# Altium PCB 键盘.PcbDoc (part 4 of 4)
Units mm, origin at the board's own origin, x right, y up, seen from the top; angles counter-clockwise.
Board outline 443.48 x 149.35 mm, 2 copper layers (Top Layer, Bottom Layer); 278 components, 283 nets, 1577 pads, 1412 vias.
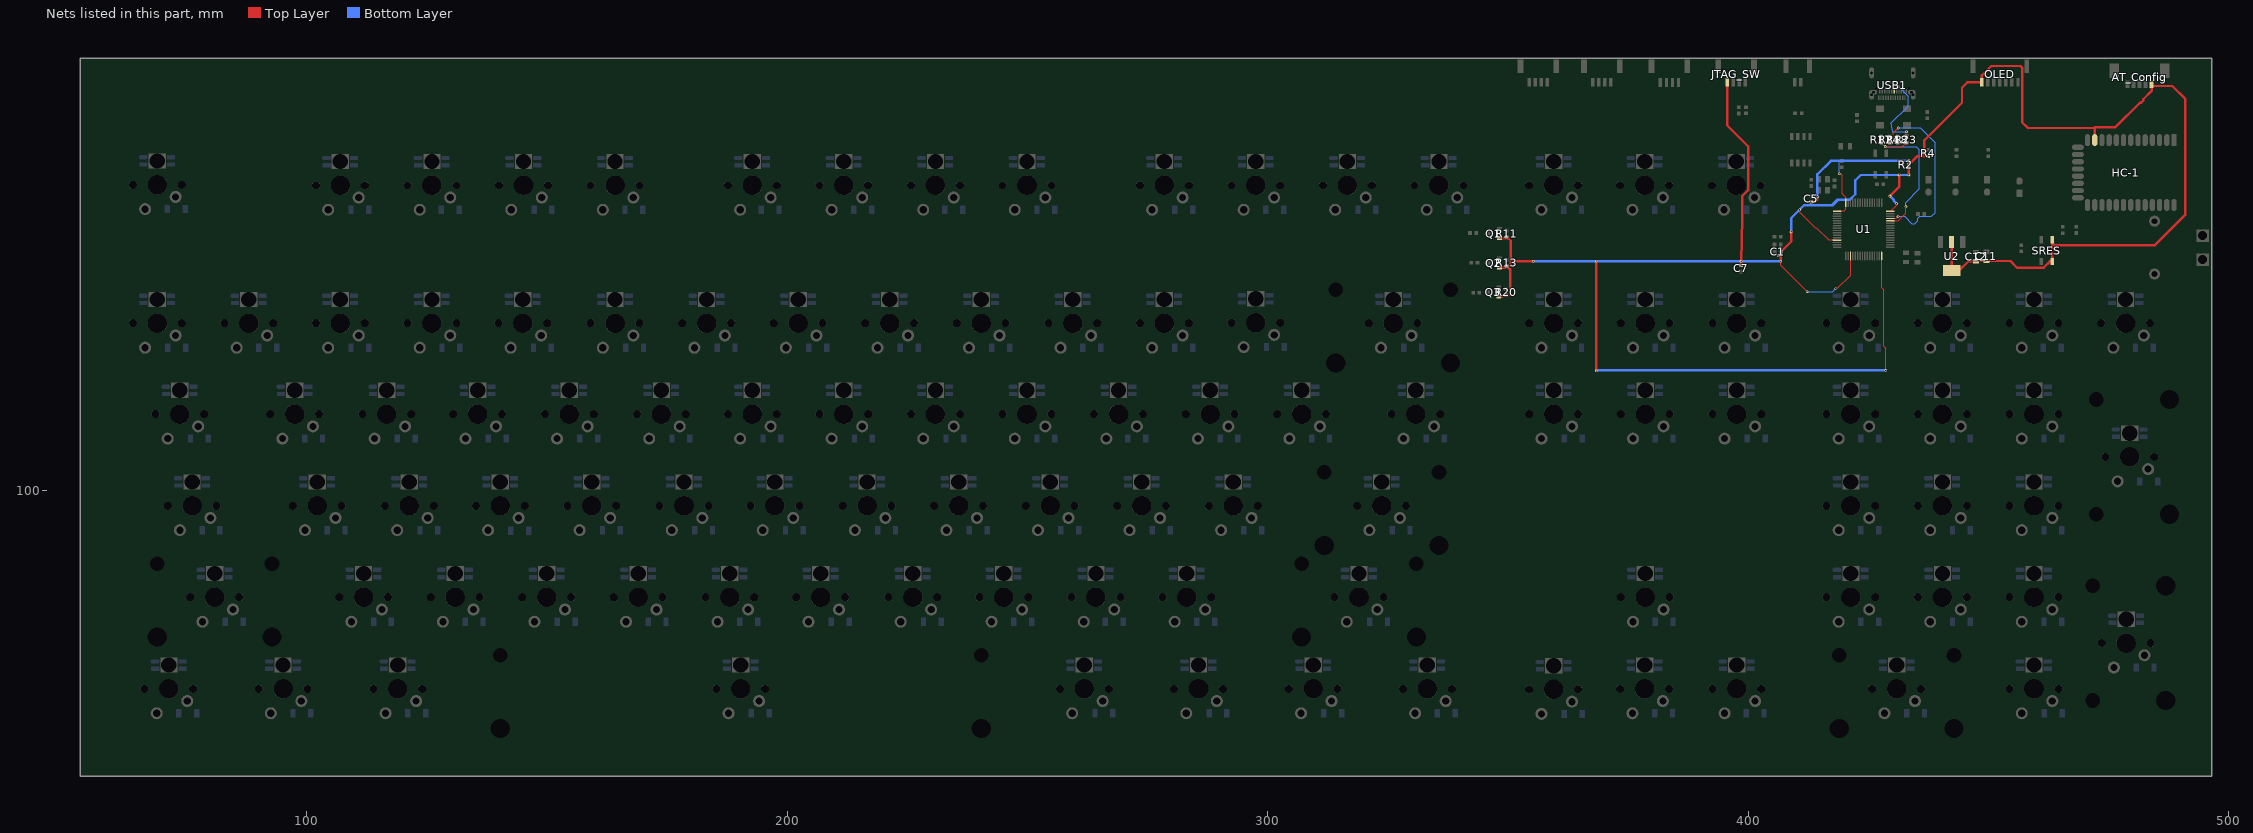
[diagram p4: the nets of this part, all layers, seen from the top]

## Via types
v1: diameter 0.508, hole 0.254, Top Layer to Bottom Layer, 1072 vias
v2: diameter 0.61, hole 0.305, Top Layer to Bottom Layer, 310 vias
v3: diameter 0.508, hole 0.254, Top Layer to Bottom Layer, tented both sides, 30 vias

## Nets (pads, with @x,y where several pads share a name; then routed paths per layer and width w, separated by ;. In a path a pad name is that pad's centre, name@x,y a point inside that pad or via, vN(x,y) a via of type N, cw(c..) or ccw(c..) an arc to the next point about the centre after c; other vN are vias at no path point) (continued)
USB_D-_2: R23.2 USB1.B7 | length 17.4
  Top Layer w0.254: USB1.B7@430.397,183.116 430.397,183.757 430.784,184.144 v2(431.298,184.144) ; R23.2@432.943,173.751 v2(432.943,174.727)
  Bottom Layer w0.254: v2(431.298,184.144) 433.299,182.143 433.299,180.086 429.705,176.492 429.946,174.727 v2(432.943,174.727)
USB_OTG_FS_DM: R17.1 R23.1 U1.44 | length 31.5
  Top Layer w0.254: R17.1@427.736,172.451 v2(428.534,171.653) 428.559,171.628 432.12,171.628 R23.1@432.943,172.451 ; U1.44@429.603,156.182 431.23,156.182 432.816,157.768 v2(432.816,159.131)
  Bottom Layer w0.254: v2(428.534,171.653) 434.95,171.653 435.635,170.967 435.635,162.819 432.816,159.999 v2(432.816,159.131)
USB_OTG_FS_DM_D+: R18.1 R24.1 U1.45 | length 40.4
  Top Layer w0.254: R24.1@429.514,172.466 430.327,172.466 430.342,172.451 R18.1@431.165,172.451 430.225,173.391 430.225,174.498 v2(431.241,175.514) ; U1.45@429.603,156.682 430.773,156.682 v2(431.216,157.124)
  Bottom Layer w0.254: v2(431.216,157.124) 432.565,157.124 434.086,155.603 434.721,155.603 435.291,156.173 435.291,156.738 435.678,157.124 438.15,157.124 438.912,157.886 438.912,172.466 435.864,175.514 v2(431.241,175.514)
VCC3V3: AT_Config.1 C1.1 C5.1 C7.1 C11.2 C12.2 HC-1.12 JTAG_SW.4 OLED.7 Q1.1 Q2.1 Q3.1 R2.1 R4.2 R11.2 R13.2 R20.2 SRES.2 U1.1 U1.13 U1.19 U1.32 U1.48 U1.64 U2.2 U2.4 | length 541.1
  Top Layer w0.254: v2(406.781,147.777) 406.781,146.964 v3(412.267,141.478) ; v3(410.718,158.496) 410.718,157.988 413.972,154.734 414.226,154.734 416.745,152.215 418.47,152.215 U1.13@418.503,152.182 ; v3(418.211,142.113) 418.592,142.113 421.303,144.824 U1.19@421.303,148.882 ; U1.1@418.503,158.182 418.56,158.239 419.986,158.239 420.303,158.556 U1.64@420.303,159.982 420.303,161.103 419.608,161.798 419.608,165.608 419.227,165.989 v3(418.973,165.989) ; U1.32@427.803,148.882 427.803,142.282 428.266,141.818 428.266,130.083 428.625,129.724 v3@428.625,125.095 ; U1.48@429.603,158.182 430.897,159.476 v3(430.897,159.766)
  Top Layer w0.508: Q3.1@348.114,140.401 348.717,140.401 349.017,140.701 R20.2@349.631,140.701 350.2,140.701 350.469,140.97 350.469,146.086 R13.2@349.758,146.797 ; Q2.1@348.234,146.436 349.397,146.436 R13.2@349.758,146.797 ; Q1.1@348.241,152.593 R11.2@350.058,152.593 ; R11.2@349.758,152.893 R11.2@350.058,152.593 ; v2(355.285,147.777) 350.596,147.777 ; v3(368.427,124.968) v3(368.427,147.828) ; JTAG_SW.4@395.645,185.039 395.645,176.058 399.996,171.707 399.996,162.546 398.777,161.327 398.777,156.718 398.547,147.777 C7.1@398.526,146.954 v2(398.526,147.777) ; v2(406.273,148.92) 406.4,148.92 406.781,149.301 ; v2(406.781,147.777) 406.781,149.301 ; v2(408.965,153.885) 408.965,151.917 C1.1@406.781,149.733 406.781,149.301 ; C5.1@413.131,160.147 413.944,160.147 414.428,160.631 v2(414.428,161.156) ; v2(429.514,161.341) 431.419,163.246 v2(431.419,165.735) ; v2(433.451,165.735) R2.1@433.451,167.894 ; v2(433.451,168.707) v2(433.451,168.681) R2.1@433.451,167.894 ; R4.2@437.515,169.657 437.022,169.657 ; U2.2@442.341,151.814 U2.4@442.341,145.874 443.916,145.874 445.809,147.767 C12.2@447.421,147.767 447.487,147.833 C11.2@449.58,147.833 454.584,147.833 455.986,146.431 461.493,146.431 462.799,147.737 SRES.2@463.278,147.737 SRES.2@463.278,152.237 463.55,151.155 484.632,151.155 490.982,157.505 490.982,181.534 488.264,184.252 AT_Config.1@483.971,184.252 ; HC-1.12@472.122,172.993 472.122,175.641 476.377,175.641 481.511,180.775 481.785,180.775 482.23,181.219 482.23,181.494 483.971,183.235 AT_Config.1@483.971,184.252 ; 472.122,174.244 472.122,175.514 458.216,175.514 457.022,176.708 457.022,188.087 456.692,188.417 450.6,188.417 448.644,186.461 OLED.7@448.644,185.039 445.643,185.039 444.5,183.896 444.5,180.772 436.677,172.949 436.677,170.002 437.022,169.657 ; AT_Config.1@483.971,184.641 AT_Config.1@483.971,184.252 ; R13.2@349.758,146.797 350.327,146.797 350.596,147.066 350.596,147.777 ; R11.2@350.058,152.593 350.596,152.055 350.596,147.777 ; R2.1@433.451,167.894 435.214,169.657 437.022,169.657
  Bottom Layer w0.254: v3(412.267,141.478) 417.576,141.478 v3(418.211,142.113) ; v3(418.973,165.989) 418.973,168.681
  Bottom Layer w0.508: v2(355.285,147.777) v2(398.526,147.777) v2(406.781,147.777) ; v3(368.427,124.968) 368.524,125.065 v3(428.629,125.065) ; v2(408.965,153.885) 408.965,156.766 411.629,159.43 417.359,159.43 ; v3(410.718,158.496) 411.652,159.43 417.359,159.43 ; v2(414.428,161.156) 414.428,165.889 417.22,168.681 418.973,168.681 v2(433.451,168.681) ; 418.806,160.604 417.632,159.43 417.359,159.43 ; v2(429.514,161.341) 430.335,160.52 430.335,160.328 v3(430.897,159.766) ; v2(433.451,165.735) 423.443,165.735 422.3,164.592 422.3,161.722 421.181,160.602 418.532,160.602 417.359,159.43
pads on no net: 0. 1. 2. 3. 4. 5. 6. 7. 8. 9. '. ,. -. .. /. ;. [. \. ]. A. AT_Config.0 B. BACK. BACK.4 C. CAN1.0 CAPS. D. DEL. Designator116.0 Designator116.1 Designator116.3 Designator116.4 Designator117.0 Designator117.1 Designator117.3 Designator117.4 Designator118.0 Designator118.1 Designator118.3 Designator118.4 Designator119.0 Designator119.1 Designator119.3 Designator119.4 Designator120.0 Designator120.1 Designator120.3 Designator120.4 Designator121.0 Designator121.1 Designator121.3 Designator121.4 Designator122.0 Designator122.1 Designator122.3 Designator122.4 Designator123.0 Designator123.1 Designator123.3 Designator123.4 DOWN. E. END. ENTER. ENTER.4 EQUAL. ESC. F1. F2. F3. F4. F5. F6. F7. F8. F9. F10. F11. F12. F. FN. G. H. HC-1.3 HC-1.4 HC-1.5 HC-1.6 HC-1.7 HC-1.8 HC-1.9 HC-1.10 HC-1.11 HC-1.14 HC-1.15 HC-1.16 HC-1.17 HC-1.18 HC-1.19 HC-1.20 HC-1.23 HC-1.25 HC-1.27 HC-1.28 HC-1.29 HC-1.30 HC-1.31 HC-1.32 HC-1.33 HC-1.34 HOME. I. INPUT?.0 INS. J1.5 J. JTAG_SW.0 K. L. LALT. LCTRL. LIFT. LSHIFT. M. MENU. N0. N1. N2. N3. N4. N5. N6. N7. N8. N9. N*. N-. N. N/. NDOT. NDOT.4 NENTER. NPLUS. NUMLOCK. O. OLED.0 P. PAUSE. PGDN. PGUP. PRTSC. Q. R. RALT. RCTRL. RIGHT. RSHIFT. S. SCRLK. SPACE. SUPER. T. TAB. U1.50 U1.55 U. UART5.0 UP. USART1.0 USART3.0 USB1. USB1.1 USB1.2 USB1.3 USB1.4 USB1.A2 USB1.A3 USB1.A4 USB1.A8 USB1.A9 USB1.A10 USB1.A11 USB1.B2 USB1.B3 USB1.B4 USB1.B8 USB1.B9 USB1.B10 USB1.B11 V. W. X. Y. Z. ~.
copper on no net: | length 1185.7
  Top Layer w0.254: 52.959,40.64 53.213,40.64 496.443,40.64 496.443,40.894 496.443,189.992 52.959,189.992 52.959,40.894 52.959,40.64

## Polygon pours and split planes (outlines as drawn)
GND on Bottom Layer "Top Layer-No Net" (solid, remove dead copper, pour order 10): 52.959,40.64 52.959,189.992 496.443,189.992 496.443,40.64
GND on Top Layer "Top Layer-No Net1" (solid, remove dead copper, pour order 11): 52.959,40.64 52.959,189.992 496.443,189.992 496.443,40.64

## Silkscreen, mask and mechanical layers (free items; w line width, h text height)
Top Overlay:
  drawing of 4995 lines, arcs and shapes, not listed
  text "https://www.emtips.net/" at 372.11,92.71 h1.52

## Text inside footprints (layer, text, board x,y; h text height)
INPUT?: Top Overlay "+" at 493.823,146.645 h1.27 r270